# KiCad board reform2-motherboard25.kicad_pcb (continued)
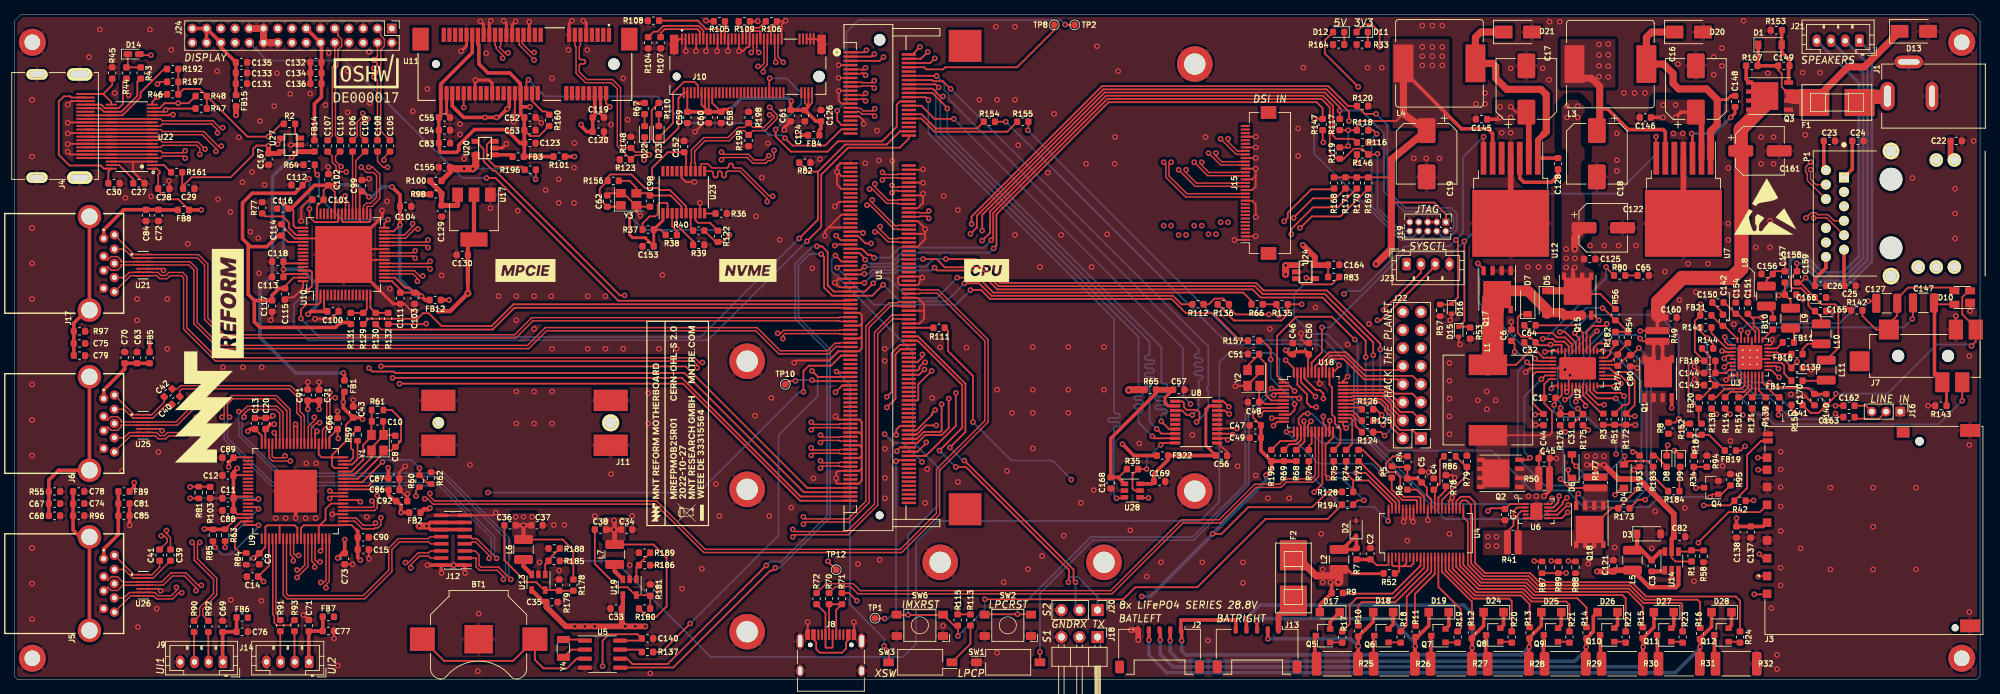
[diagram p0: board, top side]
## Footprints (pads in the part's own frame, mm; a bottom-side part is the same pattern mirrored in y, then rotated) (continued)
R_0603_1608Metric
  rrect 0.875x0.95 smd: 1(-0.787,0) 2(0.787,0)
R_0603_1608Metric#2
  rrect 0.8x0.95 smd: 1(-0.825,0) 2(0.825,0)
R_0612_1632Metric
  rrect 1x3.4 smd: 1(-0.75,0) 2(0.75,0)
R_2512_6332Metric
  rrect 1.35x3.35 smd: 1(-2.9,0) 2(2.9,0)
SJ-43516-SMT
  round 1.7 hole 1.7 unplated: (-3.5,0) (3.5,0)
  rect 2x2.8 smd: 1(-7.4,-3.7) 3(-2.7,3.7) 4(-4.6,-3.7) 6(-5.5,3.7)
  rect 2.8x2.8 smd: 2(4.8,-3.7) 5(8.9,0.75)
SOIC-8_3.9x4.9mm_P1.27mm
  rrect 1.95x0.6 smd: 1(-2.475,1.905) 2(-2.475,0.635) 3(-2.475,-0.635) 4(-2.475,-1.905) 5(2.475,-1.905) 6(2.475,-0.635) 7(2.475,0.635) 8(2.475,1.905)
SON50P350X135X55-14N
  rect 0.74x0.22 smd: 1(-0.67,1.5) 2(-0.67,1) 3(-0.67,0.5) 4(-0.67,0) 5(-0.67,-0.5) 6(-0.67,-1) 7(-0.67,-1.5) 8(0.67,-1.5) 9(0.67,-1) 10(0.67,-0.5) 11(0.67,0) 12(0.67,0.5) 13(0.67,1) 14(0.67,1.5)
SOT-23
  rect 0.9x0.8 smd: 1(-1,0.95) 2(-1,-0.95) 3(1,0)
SOT-23-5
  rect 1.06x0.65 smd: 1(-1.1,0.95) 2(-1.1,0) 3(-1.1,-0.95) 4(1.1,-0.95) 5(1.1,0.95)
SOT-23-6
  rect 1.06x0.65 smd: 1(-1.1,0.95) 2(-1.1,0) 3(-1.1,-0.95) 4(1.1,-0.95) 5(1.1,0) 6(1.1,0.95)
SOT-143
  rect 1.4x1.2 smd: 1(-1.1,0.77)
  rect 1.4x1 smd: 2(-1.1,-0.95) 3(1.1,-0.95) 4(1.1,0.95)
SOT-223
  rect 2x1.5 smd: 1(-3.15,2.3) 2(-3.15,0) 3(-3.15,-2.3)
  rect 2x3.8 smd: 2(3.15,0)
SSOP-44_5.3x12.8mm_P0.5mm
  rect 1.25x0.25 smd: 1(-3.375,5.25) 2(-3.375,4.75) 3(-3.375,4.25) 4(-3.375,3.75) 5(-3.375,3.25) 6(-3.375,2.75) 7(-3.375,2.25) 8(-3.375,1.75) 9(-3.375,1.25) 10(-3.375,0.75) 11(-3.375,0.25) 12(-3.375,-0.25) 13(-3.375,-0.75) 14(-3.375,-1.25) 15(-3.375,-1.75) 16(-3.375,-2.25) 17(-3.375,-2.75) 18(-3.375,-3.25) 19(-3.375,-3.75) 20(-3.375,-4.25) 21(-3.375,-4.75) 22(-3.375,-5.25) 23(3.375,-5.25) 24(3.375,-4.75) 25(3.375,-4.25) 26(3.375,-3.75) 27(3.375,-3.25) 28(3.375,-2.75) 29(3.375,-2.25) 30(3.375,-1.75) 31(3.375,-1.25) 32(3.375,-0.75) 33(3.375,-0.25) 34(3.375,0.25) 35(3.375,0.75) 36(3.375,1.25) 37(3.375,1.75) 38(3.375,2.25) 39(3.375,2.75) 40(3.375,3.25) 41(3.375,3.75) 42(3.375,4.25) 43(3.375,4.75) 44(3.375,5.25)
SW_DIP_SPSTx01_Slide_Omron_A6S-110x_W8.9mm_P2.54mm
  rect 1.5x1.1 smd: 1(-4.45,0) 2(4.45,0)
SWC_RAPC712X
  oval 4x2 hole 3x1: 1(0,3)
  oval 1.8x4 hole 0.75x3: 2(4.8,0)
  oval 4x1.75 hole 3x0.75: 3(0,-3.25)
TE_1-2199230-6
  round 1.1 hole 1.1 unplated: (-10,0)
  round 1.6 hole 1.6 unplated: (10,0)
  rect 0.3x1.55 smd: 1(-9.25,5.275) 2(-9,-2.275) 3(-8.75,5.275) 4(-8.5,-2.275) 5(-8.25,5.275) 6(-8,-2.275) 7(-7.75,5.275) 8(-7.5,-2.275) 9(-7.25,5.275) 10(-7,-2.275) 11(-6.75,5.275) 12(-6.5,-2.275) 13(-6.25,5.275) 14(-6,-2.275) 15(-5.75,5.275) 16(-5.5,-2.275) 17(-5.25,5.275) 18(-5,-2.275) 19(-4.75,5.275) 20(-4.5,-2.275) 21(-4.25,5.275) 22(-4,-2.275) 23(-3.75,5.275) 24(-3.5,-2.275) 25(-3.25,5.275) 26(-3,-2.275) 27(-2.75,5.275) 28(-2.5,-2.275) 29(-2.25,5.275) 30(-2,-2.275) 31(-1.75,5.275) 32(-1.5,-2.275) 33(-1.25,5.275) 34(-1,-2.275) 35(-0.75,5.275) 36(-0.5,-2.275) 37(-0.25,5.275) 38(0,-2.275) 39(0.25,5.275) 40(0.5,-2.275) 41(0.75,5.275) 42(1,-2.275) 43(1.25,5.275) 44(1.5,-2.275) 45(1.75,5.275) 46(2,-2.275) 47(2.25,5.275) 48(2.5,-2.275) 49(2.75,5.275) 50(3,-2.275) 51(3.25,5.275) 52(3.5,-2.275) 53(3.75,5.275) 54(4,-2.275) 55(4.25,5.275) 56(4.5,-2.275) 57(4.75,5.275) 58(5,-2.275) 67(7.25,5.275) 68(7.5,-2.275) 69(7.75,5.275) 70(8,-2.275) 71(8.25,5.275) 72(8.5,-2.275) 73(8.75,5.275) 74(9,-2.275) 75(9.25,5.275)
  rect 1.2x2.75 smd: S1(-10.35,4.5) S2(10.35,4.5)
TE_1473149-4
  round 1.1 hole 1.1 unplated: (-33.4,0)
  round 1.6 hole 1.6 unplated: (33.4,0)
  rect 0.35x2 smd: 1(31.65,4.1) 2(31.35,-4.1) 3(31.05,4.1) 4(30.75,-4.1) 5(30.45,4.1) 6(30.15,-4.1) 7(29.85,4.1) 8(29.55,-4.1) 9(29.25,4.1) 10(28.95,-4.1) 11(28.65,4.1) 12(28.35,-4.1) 13(28.05,4.1) 14(27.75,-4.1) 15(27.45,4.1) 16(27.15,-4.1) 17(26.85,4.1) 18(26.55,-4.1) 19(26.25,4.1) 20(25.95,-4.1) 21(25.65,4.1) 22(25.35,-4.1) 23(25.05,4.1) 24(24.75,-4.1) 25(24.45,4.1) 26(24.15,-4.1) 27(23.85,4.1) 28(23.55,-4.1) 29(23.25,4.1) 30(22.95,-4.1) 31(22.65,4.1) 32(22.35,-4.1) 33(22.05,4.1) 34(21.75,-4.1) 35(21.45,4.1) 36(21.15,-4.1) 37(20.85,4.1) 38(20.55,-4.1) 39(20.25,4.1) 40(19.95,-4.1) 41(16.05,4.1) 42(15.75,-4.1) 43(15.45,4.1) 44(15.15,-4.1) 45(14.85,4.1) 46(14.55,-4.1) 47(14.25,4.1) 48(13.95,-4.1) 49(13.65,4.1) 50(13.35,-4.1) 51(13.05,4.1) 52(12.75,-4.1) 53(12.45,4.1) 54(12.15,-4.1) 55(11.85,4.1) 56(11.55,-4.1) 57(11.25,4.1) 58(10.95,-4.1) 59(10.65,4.1) 60(10.35,-4.1) 61(10.05,4.1) 62(9.75,-4.1) 63(9.45,4.1) 64(9.15,-4.1) 65(8.85,4.1) 66(8.55,-4.1) 67(8.25,4.1) 68(7.95,-4.1) 69(7.65,4.1) 70(7.35,-4.1) 71(7.05,4.1) 72(6.75,-4.1) 73(6.45,4.1) 74(6.15,-4.1) 75(5.85,4.1) 76(5.55,-4.1) 77(5.25,4.1) 78(4.95,-4.1) 79(4.65,4.1) 80(4.35,-4.1) 81(4.05,4.1) 82(3.75,-4.1) 83(3.45,4.1) 84(3.15,-4.1) 85(2.85,4.1) 86(2.55,-4.1) 87(2.25,4.1) 88(1.95,-4.1) 89(1.65,4.1) 90(1.35,-4.1) 91(1.05,4.1) 92(0.75,-4.1) 93(0.45,4.1) 94(0.15,-4.1) 95(-0.15,4.1) 96(-0.45,-4.1) 97(-0.75,4.1) 98(-1.05,-4.1) 99(-1.35,4.1) 100(-1.65,-4.1) 101(-1.95,4.1) 102(-2.25,-4.1) 103(-2.55,4.1) 104(-2.85,-4.1) 105(-3.15,4.1) 106(-3.45,-4.1) 107(-3.75,4.1) 108(-4.05,-4.1) 109(-4.35,4.1) 110(-4.65,-4.1) 111(-4.95,4.1) 112(-5.25,-4.1) 113(-5.55,4.1) 114(-5.85,-4.1) 115(-6.15,4.1) 116(-6.45,-4.1) 117(-6.75,4.1) 118(-7.05,-4.1) 119(-7.35,4.1) 120(-7.65,-4.1) 121(-7.95,4.1) 122(-8.25,-4.1) 123(-8.55,4.1) 124(-8.85,-4.1) 125(-9.15,4.1) 126(-9.45,-4.1) 127(-9.75,4.1) 128(-10.05,-4.1) 129(-10.35,4.1) 130(-10.65,-4.1) 131(-10.95,4.1) 132(-11.25,-4.1) 133(-11.55,4.1) 134(-11.85,-4.1) 135(-12.15,4.1) 136(-12.45,-4.1) 137(-12.75,4.1) 138(-13.05,-4.1) 139(-13.35,4.1) 140(-13.65,-4.1) 141(-13.95,4.1) 142(-14.25,-4.1) 143(-14.55,4.1) 144(-14.85,-4.1) 145(-15.15,4.1) 146(-15.45,-4.1) 147(-15.75,4.1) 148(-16.05,-4.1) 149(-16.35,4.1) 150(-16.65,-4.1) 151(-16.95,4.1) 152(-17.25,-4.1) 153(-17.55,4.1) 154(-17.85,-4.1) 155(-18.15,4.1) 156(-18.45,-4.1) 157(-18.75,4.1) 158(-19.05,-4.1) 159(-19.35,4.1) 160(-19.65,-4.1) 161(-19.95,4.1) 162(-20.25,-4.1) 163(-20.55,4.1) 164(-20.85,-4.1) 165(-21.15,4.1) 166(-21.45,-4.1) 167(-21.75,4.1) 168(-22.05,-4.1) 169(-22.35,4.1) 170(-22.65,-4.1) 171(-22.95,4.1) 172(-23.25,-4.1) 173(-23.55,4.1) 174(-23.85,-4.1) 175(-24.15,4.1) 176(-24.45,-4.1) 177(-24.75,4.1) 178(-25.05,-4.1) 179(-25.35,4.1) 180(-25.65,-4.1) 181(-25.95,4.1) 182(-26.25,-4.1) 183(-26.55,4.1) 184(-26.85,-4.1) 185(-27.15,4.1) 186(-27.45,-4.1) 187(-27.75,4.1) 188(-28.05,-4.1) 189(-28.35,4.1) 190(-28.65,-4.1) 191(-28.95,4.1) 192(-29.25,-4.1) 193(-29.55,4.1) 194(-29.85,-4.1) 195(-30.15,4.1) 196(-30.45,-4.1) 197(-30.75,4.1) 198(-31.05,-4.1) 199(-31.35,4.1) 200(-31.65,-4.1)
  rect 4.5x4.6 smd: SH1(-32.55,-12) SH2(32.55,-12)
TE_1775059-1
  round 1.2 hole 1.2 unplated: (0,0)
  round 1 hole 1 unplated: (5,-26.2)
  rect 1.2x1.2 smd: 1(-21.4,-18.925) 2(-21.4,-16.425) 3(-21.4,-13.925) 4(-21.4,-11.425) 5(-21.4,-8.925) 6(-21.4,-6.425) 7(-21.4,-4) 8(-21.4,-2.3) 9(-21.4,-21.425)
  rect 1.4x0.73 smd: 10(-21.3,0.07) 12(-21.3,1.03)
  rect 1.8x1.45 smd: 11(-2.3,1.25)
  rect 2.8x1.8 smd: 12(7.1,1.52) 13(7.1,-25.92)
TestPoint_Pad_D1.0mm
  round 1 smd: 1(0,0)
TO-263-7_TabPin8
  rect 4.55x5.25 smd: (0.95,2.775) (0.95,-2.775) (5.8,2.775) (5.8,-2.775)
  rect 4.6x0.8 smd: 1(-5.775,3.81) 2(-5.775,2.54) 3(-5.775,1.27) 4(-5.775,0) 5(-5.775,-1.27) 6(-5.775,-2.54) 7(-5.775,-3.81)
  rect 9.4x10.8 smd: 8(3.375,0)
TSOT-23-6
  rect 1.22x0.65 smd: 1(-1.31,0.95) 2(-1.31,0) 3(-1.31,-0.95) 4(1.31,-0.95) 5(1.31,0) 6(1.31,0.95)
TSOT-25
  rect 0.7x1.2 smd: 1(-0.95,-1.3) 2(0,-1.3) 3(0.95,-1.3) 4(0.95,1.3) 5(-0.95,1.3)
TSSOP50P640X120-38N
  rect 1.56x0.26 smd: 1(-2.88,4.5) 2(-2.88,4) 3(-2.88,3.5) 4(-2.88,3) 5(-2.88,2.5) 6(-2.88,2) 7(-2.88,1.5) 8(-2.88,1) 9(-2.88,0.5) 10(-2.88,0) 11(-2.88,-0.5) 12(-2.88,-1) 13(-2.88,-1.5) 14(-2.88,-2) 15(-2.88,-2.5) 16(-2.88,-3) 17(-2.88,-3.5) 18(-2.88,-4) 19(-2.88,-4.5) 20(2.88,-4.5) 21(2.88,-4) 22(2.88,-3.5) 23(2.88,-3) 24(2.88,-2.5) 25(2.88,-2) 26(2.88,-1.5) 27(2.88,-1) 28(2.88,-0.5) 29(2.88,0) 30(2.88,0.5) 31(2.88,1) 32(2.88,1.5) 33(2.88,2) 34(2.88,2.5) 35(2.88,3) 36(2.88,3.5) 37(2.88,4) 38(2.88,4.5)
TSSOP-20_4.4x6.5mm_P0.65mm
  rect 1.45x0.45 smd: 1(-2.95,2.925) 2(-2.95,2.275) 3(-2.95,1.625) 4(-2.95,0.975) 5(-2.95,0.325) 6(-2.95,-0.325) 7(-2.95,-0.975) 8(-2.95,-1.625) 9(-2.95,-2.275) 10(-2.95,-2.925) 11(2.95,-2.925) 12(2.95,-2.275) 13(2.95,-1.625) 14(2.95,-0.975) 15(2.95,-0.325) 16(2.95,0.325) 17(2.95,0.975) 18(2.95,1.625) 19(2.95,2.275) 20(2.95,2.925)
UK-B0206-G3.8-250-JZ
  rect 1.4x1.1 smd: 1(-3.25,1.5) 1(3.25,1.5) 2(-3.25,-1.5) 2(3.25,-1.5)
USB_C_Receptacle_HRO_TYPE-C-31-M-12
  round 0.65 hole 0.65 unplated: (-2.89,2.6) (2.89,2.6)
  rect 0.6x1.45 smd: A1(-3.25,4.045) A4(-2.45,4.045) A9(2.45,4.045) A12(3.25,4.045) B1(3.25,4.045) B4(2.45,4.045) B9(-2.45,4.045) B12(-3.25,4.045)
  rect 0.3x1.45 smd: A5(-1.25,4.045) A6(-0.25,4.045) A7(0.25,4.045) A8(1.25,4.045) B5(1.75,4.045) B6(0.75,4.045) B7(-0.75,4.045) B8(-1.75,4.045)
  oval 1x2.1 hole 0.6x1.7: S1(-4.32,3.13) S1(4.32,3.13)
  oval 1x1.6 hole 0.6x1.2: S1(-4.32,-1.05) S1(4.32,-1.05)
WA-SMSI-M2
  round 5 hole 3: 1(0,0)

## Nets
1V2_PWR_EN: R185.1 U18.2
3V3_PWR_AUX: FB1.1 FB14.1 R98.2 U27.1
3V3_PWR_EN: D16.1 R57.2 U12.7 U18.48
5V_PWR_EN: D15.1 R53.2 U7.7 U18.43
30V_GATE: C16.1 C17.1 C82.2 C122.1 C125.1 C145.2 C146.2 D5.1 Q15.5 Q15.6 Q15.7 Q15.8 R1.2 R56.1 R175.1 R177.1 U7.2 U12.2 U14.5
+1V2: C36.1 C37.1 FB2.1 FB12.1 L6.2 R178.1
+1V5: C34.1 C38.1 C119.1 C120.1 L7.2 R180.1 U11.6 U11.28 U11.48
+1V8: C112.1 C114.1 C115.1 C117.1 C130.1 R65.2 R131.2 R132.2 U10.42 U10.53 U10.63 U17.2
+3V3: C19.1 C22.1 C29.1 C155.1 C167.1 D11.2 FB4.1 FB18.1 FB20.1 FB21.1 FB22.1 J19.1 L4.2 P1.14 P1.16 R2.2 R46.2 R47.2 R48.2 R100.2 R113.2 R115.1 R117.1 R118.1 R119.1 R135.1 R136.1 R161.1 R168.1 R169.2 R170.2 R171.2 R187.1 R192.1 R196.2 R197.2 U12.6 U20.5 U27.5
+5V: C18.1 C33.1 C35.1 C164.1 D12.2 L3.2 R83.2 U1.1 U1.2 U1.3 U1.4 U1.5 U1.6 U7.6 U13.4 U19.4 U24.5
/Reform 2 Power/24V_IN: F1.1 J1.1
/Reform 2 Power/VIN: C44.2 C160.1 C161.1 Q3.5 Q3.6 Q3.7 Q3.8 R34.2 R49.2 R167.1 U2.7 U2.36
GND: BT1.2 C2.2 C4.2 C5.2 C6.1 C7.2 C9.2 C11.2 C12.2 C13.2 C14.2 C15.2 C16.2 C17.2 C18.2 C19.2 C20.2 C21.2 C22.2 C23.2 C24.2 C25.2 C26.2 C27.1 C28.1 C29.2 C30.2 C33.2 C34.2 C35.2 C37.2 C43.2 C44.1 C45.1 C46.2 C47.2 C48.2 C49.2 C50.2 C51.2 C52.2 C53.2 C54.2 C55.2 C56.2 C57.2 C58.2 C59.2 C60.2 C61.2 C62.2 C63.2 C65.1 C66.2 C67.2 C68.2 C69.2 C70.2 C71.2 C72.2 C73.2 C74.2 C75.2 C76.2 C77.2 C78.2 C79.2 C80.1 C81.2 C82.1 C83.2 C84.2 C85.2 C86.2 C87.2 C88.2 C89.2 C90.2 C91.2 C92.2 C98.2 C99.2 C100.2 C101.2 C102.2 C103.2 C104.2 C111.2 C112.2 C113.2 C114.2 C115.2 C116.2 C117.2 C118.2 C119.2 C120.2 C121.1 C122.2 C123.2 C124.2 C125.2 C126.2 C129.2 C130.2 C131.2 C132.2 C133.2 C134.2 C135.2 C136.2 C137.2 C138.2 C139.2 C140.1 C142.2 C143.2 C144.1 C145.1 C146.1 C150.2 C151.2 C152.2 C153.2 C154.2 C155.2 C156.2 C158.2 C160.2 C161.2 C164.2 C165.2 C166.2 C167.2 C168.2 C169.2 C170.2 D2.2 D3.2 D10.1 D13.2 D15.2 D16.2 D20.2 D21.2 H1.1 H2.1 H3.1 H5.1 H6.1 H7.1 H8.1 H22.1 H24.1 H25.1 H27.1 J1.2 J1.3 J2.5 J3.3 J3.6 J3.12 J3.13 J4.2 J4.5 J4.8 J4.11 J4.17 J4.SH J5.4 J5.7 J6.4 J6.7 J7.4 J8.A1 J8.A12 J8.B1 J8.B12 J8.S1 J9.4 J10.1 J10.3 J10.9 J10.15 J10.21 J10.27 J10.33 J10.39 J10.45 J10.51 J10.57 J10.71 J10.73 J10.75 J10.S1 J10.S2 J11.1 J11.2 J11.3 J11.4 J12.1 J12.2 J12.15 J12.16 J14.4 J15.1 J15.2 J15.12 J15.15 J15.18 J15.21 J15.24 J15.27 J15.30 J16.1 J17.4 J17.7 J18.3 J19.3 J19.5 J19.9 J20.3 J22.16 J23.4 J24.2 J24.5 J24.8 J24.11 J24.18 J24.19 J24.20 J24.21 P1.SH1 P1.SH2 Q4.2 Q17.1 Q17.2 Q17.3 R3.1 R8.1 R32.1 R33.1 R36.1 R39.1 R45.2 R50.1 R51.1 R53.1 R55.2 R57.1 R58.2 R62.2 R77.1 R78.2 R79.2 R82.2 R84.2 R88.1 R94.1 R95.1 R96.2 R97.2 R103.1 R104.2 R105.2 R106.2 R107.2 R108.2 R109.2 R120.2 R123.1 R142.2 R143.2 R148.1 R153.2 R164.1 R172.2 R179.2 R181.2 R188.2 R189.2 R193.1 R198.1 R199.1 SW1.1 SW2.1 SW6.1 U1.7 U1.13 U1.19 U1.25 U1.31 U1.41 U1.44 U1.47 U1.50 U1.53 U1.56 U1.59 U1.62 U1.65 U1.68 U1.71 U1.74 U1.80 U1.94 U1.95 U1.98 U1.99 U1.104 U1.110 U1.111 U1.116 U1.117 U1.123 U1.129 U1.161 U1.167 U1.173 U1.179 U1.185 U1.191 U2.3 U2.4 U2.29 U2.35 U2.39 U3.9 U3.20 U3.24 U3.28 U3.33 U4.26 U4.27 U4.33 U4.37 U4.38 U4.39 U4.40 U5.4 U6.5 U7.4 U7.8 U8.11 U9.64 U9.81 U10.1 U10.23 U10.26 U10.52 U10.64 U10.65 U11.4 U11.9 U11.15 U11.18 U11.21 U11.26 U11.27 U11.29 U11.34 U11.35 U11.37 U11.40 U11.43 U11.50 U12.4 U12.8 U13.2 U14.2 U17.1 U18.5 U18.41 U19.2 U20.2 U21.5 U21.10 U22.3 U22.5 U22.8 U22.11 U22.14 U22.25 U22.28 U22.31 U22.34 U22.36 U23.9 U23.16 U24.2 U25.5 U25.10 U26.5 U26.10 U27.2 U28.2 Y2.2 Y2.4 Y3.2 Y3.4
/Reform 2 Display/EDAUXN: C107.2 U10.35
/Reform 2 Display/EDAUXP: C110.2 U10.34
/Reform 2 Display/EDP_BL_VCC: C131.1 C133.1 C135.1 FB15.2 J24.26 J24.27 J24.28 J24.29
/Reform 2 Display/EDP_HPD: J24.17 R64.1
/Reform 2 Display/EDP_LCD_TEST: J24.14
/Reform 2 Display/EDP_LCD_VCC: C132.1 C134.1 C136.1 FB14.2 J24.12 J24.13
/Reform 2 Display/ML0N: C106.2 U10.38
/Reform 2 Display/ML0P: C109.2 U10.37
/Reform 2 Display/ML1N: C105.2 U10.40
/Reform 2 Display/ML1P: C108.2 U10.39
/Reform 2 PCIe/M2_CLKREQn: J10.52
/Reform 2 PCIe/M2_SMB_ALERTn: J10.44
/Reform 2 PCIe/M2_SMB_CLK: J10.40
/Reform 2 PCIe/M2_SMB_DATA: J10.42
/Reform 2 PCIe/PCICLKGEN_XI: C98.1 R156.2 U23.5 Y3.3
/Reform 2 PCIe/PCICLKGEN_XO: C62.1 R156.1 U23.6 Y3.1
/Reform 2 PCIe/RCLKC_N: J10.53 R199.2 U23.13
/Reform 2 PCIe/RCLKC_P: J10.55 R198.2 U23.14
/Reform 2 Power/BAT1FUSED: D17.2 F2.1 L2.1 R9.1 R41.1 R52.2 U6.2
/Reform 2 Power/CHG_INTVCC: C6.2 D4.2 D6.2 R183.1 R184.1 U2.10 U2.34
/Reform 2 Power/Reform 2 LPC/LPC_AD5: J22.7 U18.40
/Reform 2 Power/Reform 2 LPC/LPC_AD7: J22.10 U18.42
/Reform 2 Power/Reform 2 LPC/LPC_MISO0: R124.1 U18.27
/Reform 2 Power/Reform 2 LPC/LPC_MISO1a: J22.2 U18.30
/Reform 2 Power/Reform 2 LPC/LPC_MISO1b: R74.2 U18.26
/Reform 2 Power/Reform 2 LPC/LPC_MOSI0: R125.1 U18.28
/Reform 2 Power/Reform 2 LPC/LPC_MOSI1a: J22.14 U18.17
/Reform 2 Power/Reform 2 LPC/LPC_MOSI1b: R75.2 U18.38
/Reform 2 Power/Reform 2 LPC/LPC_RXDa: J22.12 U18.46
/Reform 2 Power/Reform 2 LPC/LPC_RXDc: J23.3 U18.11
/Reform 2 Power/Reform 2 LPC/LPC_SCK0a: R126.1 U18.29
/Reform 2 Power/Reform 2 LPC/LPC_SCK0b: J22.1 U18.31
/Reform 2 Power/Reform 2 LPC/LPC_SCK1b: R73.2 U18.13
/Reform 2 Power/Reform 2 LPC/LPC_SCLKa: J22.9 U18.45
/Reform 2 Power/Reform 2 LPC/LPC_SCLKc: R194.2 U18.24
/Reform 2 Power/Reform 2 LPC/LPC_SSEL0: R157.1 U18.10
/Reform 2 Power/Reform 2 LPC/LPC_SSEL1: R76.2 U18.18
/Reform 2 Power/Reform 2 LPC/LPC_SWDIO: J22.8 U18.39
/Reform 2 Power/Reform 2 LPC/LPC_TDI: J22.4 U18.32
/Reform 2 Power/Reform 2 LPC/LPC_TDO: J22.6 U18.34
/Reform 2 Power/Reform 2 LPC/LPC_TMS: J22.3 U18.33
/Reform 2 Power/Reform 2 LPC/LPC_TXDa: J22.11 U18.47
/Reform 2 Power/Reform 2 LPC/LPC_TXDc: J23.2 U18.12
/Reform 2 Power/Reform 2 LPC/LPC_UFTOGG: SW1.2 U18.4
/Reform 2 Power/Reform 2 LPC/LPC_UVBUS: R195.2 U18.14
/Reform 2 Power/Reform 2 LPC/LPC_~{RESET}: SW2.2 U18.3
/Reform 2 Power/Reform 2 LPC/LPC_~{TRST}: J22.5 U18.35
/Reform 2 Power/Reform 2 LPC/LPC_~{USBCON}: J22.13 U18.22
/Reform 2 Power/Reform 2 LPC/LPCUD_N: R72.2 U18.19
/Reform 2 Power/Reform 2 LPC/LPCUD_P: R70.2 U18.20
/Reform 2 Power/VREG: C5.1 R4.1 R5.1 R6.1 U4.32
/Reform 2 USB/USB3_1_SSTXCN: C40.2 J6.8 U25.2 U25.13
/Reform 2 USB/USB3_1_SSTXCP: C42.2 J6.9 U25.1 U25.14
/Reform 2 USB/USB3_2_SSTXCN: C39.2 J5.8 U26.2 U26.13
/Reform 2 USB/USB3_2_SSTXCP: C41.2 J5.9 U26.1 U26.14
AUX_PWR_EN: U18.23 U27.4
BACKLIGHT_EN: J24.22 U1.105
BACKLIGHT_PWM: J24.23 U1.164
BAT1+: F2.2 J13.1
BAT2+: D18.2 J13.2 R10.1 R25.1
BAT3+: D19.2 J13.3 R11.1 R26.1
BAT4+: D24.2 J13.4 R12.1 R27.1
BAT5+: D25.2 J2.1 J13.5 R13.1 R28.1
BAT6+: D26.2 J2.2 R14.1 R29.1
BAT7+: D27.2 J2.3 R15.1 R30.1
BAT8+: D28.2 J2.4 R16.1 R31.1
BMON_CS: R76.1 U4.44
BMON_SCK: R73.1 U4.41
BMON_SDI: R75.1 U4.42
BMON_SDO: R74.1 R128.1 U4.43
BOOTCFG_4: R169.1 U1.152
BOOTCFG_10: R168.2 U1.134
BOOTCFG_12: R171.1 U1.138
BOOTCFG_13: R170.1 U1.140
CHG_RNG: Q4.1 R95.2 U18.1
CHG_STAT1: D8.1 U2.12
CHG_STAT2: D9.1 U2.13
CHGBAT: Q18.5 Q18.6 Q18.7 Q18.8 R41.2 R173.2 U2.20 U6.3
DAC_BCLK: R114.1 U1.170
DAC_DIN: R150.1 U1.166
DAC_DOUT: R121.1 U1.178
DAC_MCLK: R138.2 U1.176
DAC_RXFS: R139.1 U1.168
DAC_SCL: R66.1 U1.101 U5.6
DAC_SDA: R112.1 U1.103 U5.5
DAC_TXFS: R151.1 U1.172
DSI_CLK_N: J15.19 U10.25
DSI_CLK_P: J15.20 U10.24
DSI_D0_N: J15.25 U10.20
DSI_D0_P: J15.26 U10.19
DSI_D1_N: J15.22 U10.22
DSI_D1_P: J15.23 U10.21
DSI_D2_N: J15.16 U10.28
DSI_D2_P: J15.17 U10.27
DSI_D3_N: J15.13 U10.30
DSI_D3_P: J15.14 U10.29
EDP_AUX_DN: C107.1 J24.10
EDP_AUX_DP: C110.1 J24.9
EDP_IRQ: U1.40 U10.61
EDP_RESETn: R82.1 U1.38 U10.2
EDP_SCL: R129.2 U1.107
EDP_SDA: R130.2 U1.109
EDP_TX0_DN: C106.1 J24.6
EDP_TX0_DP: C109.1 J24.7
EDP_TX1_DN: C105.1 J24.3
EDP_TX1_DP: C108.1 J24.4
ETH0_A+: P1.11 U1.29
ETH0_A-: P1.10 U1.27
ETH0_B+: P1.4 U1.23
ETH0_B-: P1.5 U1.21
ETH0_C+: P1.3 U1.17
ETH0_C-: P1.2 U1.15
ETH0_D+: P1.8 U1.11
ETH0_D-: P1.9 U1.9
ETH0_LED_LINK1: J19.6 R147.2 U1.83
ETH0_LED_LINK2: J19.10 R119.2 R146.2 U1.81
ETH0_LED_RX: R116.2 U1.79
HDMI_CEC: R197.1 U1.197 U22.16
HDMI_CLK+: J4.10 U1.165 U22.13 U22.26
HDMI_CLK-: J4.12 U1.163 U22.15 U22.24
HDMI_D0+: J4.7 U1.171 U22.10 U22.29
HDMI_D0-: J4.9 U1.169 U22.12 U22.27
HDMI_D1+: J4.4 U1.177 U22.7 U22.32
HDMI_D1-: J4.6 U1.175 U22.9 U22.30
HDMI_D2+: J4.1 U1.183 U22.4 U22.35
HDMI_D2-: J4.3 U1.181 U22.6 U22.33
HDMI_HPD: R46.1 U1.199 U22.19
HDMI_SCL: R47.1 U1.195 U22.17
HDMI_SDA: R48.1 U1.193 U22.18
IMX_FBOOT: SW3.2 U1.139
IMX_JTAG_TCK: J19.4 R120.1 U1.73
IMX_JTAG_TDI: J19.8 R118.2 U1.75
IMX_JTAG_TMS: J19.2 R117.2 U1.77
IMX_RESETn: R115.2 R194.1 SW6.2 U1.87
IMX_RTC_IRQ: R137.1 U1.141
IMX_UART1_RX: J18.2 U1.126
IMX_UART1_TX: J18.1 U1.128
IMX_UART2_RX: J20.2 U1.122
IMX_UART2_TX: J20.1 U1.124
IMX_WAKE: U1.145 U18.21
INA_SCL: R69.2 U6.10 U18.15
INA_SDA: R68.2 U6.9 U18.16
LPC_MISO: R124.2 U1.93
LPC_MOSI: R125.2 U1.91
LPC_SCK: R126.2 U1.97
LPC_SS0: R157.2 U1.89
LPC_UART2_RX: R154.1 U18.37
LPC_UART2_TX: R155.2 U18.36
LPC_VCC: C7.1 C46.1 C47.1 C49.1 C50.1 C121.2 C140.2 J22.15 J23.1 L5.2 R68.1 R69.1 R71.1 R87.2 R89.2 R128.2 R195.1 U5.8 U6.1 U14.3 U18.8 U18.44
PCIE1_CLK_N: R148.2 U1.60 U11.11
PCIE1_CLK_P: R123.2 U1.58 U11.13
PCIE1_PWR_EN: R186.1 U18.9 U20.4
PCIE1_RESETn: U1.37 U11.22
PCIE1_RX_N: U1.54 U11.23
PCIE1_RX_P: U1.52 U11.25
PCIE1_TX_N: U1.48 U11.31
PCIE1_TX_P: U1.46 U11.33
PCIE2_CLK_N: U1.66 U23.11
PCIE2_CLK_P: U1.64 U23.12
PCIE2_RESETn: J10.50 U1.24
PCIE2_RX_N: J10.41 U1.78
PCIE2_RX_P: J10.43 U1.76
PCIE2_TX_N: J10.47 U1.72
PCIE2_TX_P: J10.49 U1.70
SD2_CD: J3.10 R42.2 U1.26
SD2_CLK: U1.22 U28.3
SD2_CMD: U1.20 U8.7
SD2_DATA0: U1.12 U8.3
SD2_DATA1: U1.14 U8.1
SD2_DATA2: U1.16 U8.9
SD2_DATA3: U1.18 U8.8
USB1_DN: U1.100 U9.69
USB1_DP: U1.102 U9.70
USB1_RX_N: U1.112 U9.62
USB1_RX_P: U1.114 U9.63
USB1_TX_N: U1.106 U9.65
USB1_TX_P: U1.108 U9.66
USB2_DN: J17.2 U1.125 U21.3 U21.12
USB2_DP: J17.3 U1.127 U21.4 U21.11
USB2_RX_N: J17.5 U1.121 U21.7 U21.8
USB2_RX_P: J17.6 U1.119 U21.6 U21.9
USB2_TX_N: J17.8 U1.115 U21.2 U21.13
USB2_TX_P: J17.9 U1.113 U21.1 U21.14
USB3_1_DN: J6.2 U9.3 U25.3 U25.12
USB3_1_DP: J6.3 U9.2 U25.4 U25.11
USB3_1_SSRXN: J6.5 U9.7 U25.7 U25.8
USB3_1_SSRXP: J6.6 U9.6 U25.6 U25.9
USB3_1_SSTXN: C40.1 U9.9
USB3_1_SSTXP: C42.1 U9.8
USB3_2_DN: J5.2 U9.59 U26.3 U26.12
USB3_2_DP: J5.3 U9.60 U26.4 U26.11
USB3_2_SSRXN: J5.5 U9.54 U26.7 U26.8
USB3_2_SSRXP: J5.6 U9.53 U26.6 U26.9
USB3_2_SSTXN: C39.1 U9.56
USB3_2_SSTXP: C41.1 U9.55
USB3_3_DN: R92.1 U9.18
USB3_3_DP: R90.1 U9.17
USB3_3_SSRXN: J12.9 U9.13
USB3_3_SSRXP: J12.7 U9.12
USB3_3_SSTXN: J12.5 U9.15
USB3_3_SSTXP: J12.3 U9.14
USB3_3_VBUS: FB6.1
USB3_4_DN: R93.1 U9.44
USB3_4_DP: R91.1 U9.45
USB3_4_SSRXN: J12.10 U9.48
USB3_4_SSRXP: J12.8 U9.47
USB3_4_SSTXN: J12.6 U9.50
USB3_4_SSTXP: J12.4 U9.49
USB3_4_VBUS: FB7.1
USB_PWR: C28.2 D14.2 FB5.1 FB8.1 FB9.1 FB15.1 J12.11 J12.12 J12.13 J12.14 R60.1 R111.1 R152.1 U22.1 U24.1
USB_PWR_EN: U18.25 U24.4
USB_RESETn: R81.2 R103.2 U1.131
USBH_1V1: C9.1 C11.1 C12.1 C13.1 C15.1 C21.1 C66.1 C86.1 C88.1 C90.1 C91.1 C92.1 FB2.2 U9.1 U9.5 U9.10 U9.11 U9.16 U9.20 U9.26 U9.32 U9.37 U9.42 U9.46 U9.51 U9.52 U9.57 U9.61 U9.67 U9.71
USBH_3V3: C14.1 C20.1 C43.1 C73.1 C87.1 C89.1 FB1.2 R63.1 R85.1 U9.4 U9.19 U9.21 U9.38 U9.43 U9.58 U9.68 U9.72 U9.77 U9.80
Net-(BT1-Pad1): BT1.1 U5.3
Net-(C1-Pad1): C1.1 D4.1 U2.2
Net-(C1-Pad2): C1.2 L1.1 Q1.1 Q1.2 Q1.3 Q2.5 Q2.6 Q2.7 Q2.8 U2.38
Net-(C2-Pad1): C2.1 R7.2 U4.1
Net-(C3-Pad1): C3.1 D3.1 L5.1 U14.6
Net-(C3-Pad2): C3.2 U14.1
Net-(C4-Pad1): C4.1 R86.2 U4.31
Net-(C8-Pad1): C8.1 R61.1 U9.74 Y1.1
Net-(C10-Pad1): C10.1 R61.2 U9.76 Y1.3
Net-(C10-Pad2): C8.2 C10.2 U9.75 Y1.2 Y1.4
Net-(C23-Pad1): C23.1 P1.7
Net-(C24-Pad1): C24.1 P1.1
Net-(C25-Pad1): C25.1 P1.6
Net-(C26-Pad1): C26.1 P1.12
Net-(C27-Pad2): C27.2 U22.37
Net-(C30-Pad1): C30.1 J4.18 U22.38
Net-(C31-Pad1): C31.1 R176.2 U2.22
Net-(C31-Pad2): C31.2 R175.2 U2.23
Net-(C32-Pad1): C32.1 D6.1 D7.1 U2.30
Net-(C32-Pad2): C32.2 D5.2 D7.2 L1.2 Q15.1 Q15.2 Q15.3 Q17.5 Q17.6 Q17.7 Q17.8 U2.32
Net-(C36-Pad2): C36.2 R178.2 R179.1 U13.5
Net-(C38-Pad2): C38.2 R180.2 R181.1 U19.5
Net-(C45-Pad2): C45.2 Q2.1 Q2.2 Q2.3 R50.2 U2.5
Net-(C48-Pad1): C48.1 U18.7 Y2.1
Net-(C51-Pad1): C51.1 U18.6 Y2.3
Net-(C63-Pad1): C63.1 C70.1 FB5.2 J6.1
Net-(C64-Pad1): C64.1 U2.24
Net-(C64-Pad2): C64.2 U2.27
Net-(C65-Pad2): C65.2 R80.1
Net-(C67-Pad1): C67.1 C68.1 J6.10 R55.1
Net-(C69-Pad1): C69.1 C76.1 FB6.2 J9.1
Net-(C71-Pad1): C71.1 C77.1 FB7.2 J14.1
Net-(C72-Pad1): C72.1 C84.1 FB8.2 J17.1
Net-(C74-Pad1): C74.1 C78.1 J5.10 R96.1
Net-(C75-Pad1): C75.1 C79.1 J17.10 R97.1
Net-(C80-Pad2): C80.2 R173.1 R174.2 U2.17
Net-(C81-Pad1): C81.1 C85.1 FB9.2 J5.1
Net-(C100-Pad1): C99.1 C100.1 C101.1 C102.1 C103.1 C104.1 C111.1 C113.1 C116.1 C118.1 FB12.2 U10.3 U10.17 U10.18 U10.31 U10.33 U10.36 U10.41 U10.43 U10.48 U10.49 U10.59 U10.62
Net-(C123-Pad1): C52.1 C53.1 C54.1 C55.1 C83.1 C123.1 FB3.2 R67.1 R101.2 R160.1 U11.2 U11.24 U11.39 U11.41 U11.52
Net-(C124-Pad1): C58.1 C59.1 C60.1 C61.1 C124.1 C126.1 FB4.2 J10.2 J10.4 J10.12 J10.14 J10.16 J10.18 J10.70 J10.72 J10.74 R110.1
Net-(C127-Pad1): C127.1 D10.3 J7.2 R142.1
Net-(C127-Pad2): C127.2 U3.31
Net-(C128-Pad1): C128.1 D21.1 L4.1 U12.1
Net-(C128-Pad2): C128.2 U12.3
Net-(C129-Pad1): C129.1 R98.1 R100.1 U17.3
Net-(C137-Pad1): C56.1 C137.1 C138.1 C169.1 FB22.2 J3.4 R42.1 U8.19 U28.6
Net-(C139-Pad1): C139.1 C151.1 FB19.2 U3.21 U3.26
Net-(C141-Pad1): C141.1 D10.2 J7.1 R140.2
Net-(C141-Pad2): C141.2 U3.4
Net-(C142-Pad1): C142.1 FB21.2 U3.32
Net-(C143-Pad1): C143.1 FB20.2 R144.1 U3.10
Net-(C144-Pad2): C144.2 FB18.2 U3.8
Net-(C147-Pad1): C147.1 D10.4 J7.3 R143.1
Net-(C147-Pad2): C147.2 U3.29
Net-(C148-Pad1): C148.1 D20.1 L3.1 U7.1
Net-(C148-Pad2): C148.2 U7.3
Net-(C149-Pad1): C149.1 D1.1 D13.1 F1.2 Q3.1 Q3.2 Q3.3 R167.2
Net-(C149-Pad2): C149.2 D1.2 Q3.4 R153.1
Net-(C150-Pad1): C150.1 C154.1 U3.27
Net-(C152-Pad1): C152.1 C153.1 R37.1 R38.1 R40.1 R101.1 R122.1 U23.1 U23.15
Net-(C156-Pad1): C156.1 C157.1 J21.4 L8.2
Net-(C157-Pad2): C157.2 C158.1 J21.3 L9.2
Net-(C159-Pad1): C159.1 C165.1 J21.2 L10.2
Net-(C159-Pad2): C159.2 C166.1 J21.1 L11.2
Net-(C162-Pad1): C162.1 U3.3
Net-(C162-Pad2): C162.2 J16.3
Net-(C163-Pad1): C163.1 U3.6
Net-(C163-Pad2): C163.2 J16.2
Net-(C168-Pad1): C57.1 C168.1 R35.1 R65.1 U8.2 U28.1
Net-(C170-Pad1): C170.1 R140.1 U3.1
Net-(D2-Pad1): D2.1 L2.2 R7.1
Net-(D8-Pad2): D8.2 R183.2
Net-(D9-Pad2): D9.2 R184.2
Net-(D11-Pad1): D11.1 R33.2
Net-(D12-Pad1): D12.1 R164.2
Net-(D14-Pad1): D14.1 R43.1 R44.1
Net-(D17-Pad1): D17.1 Q5.2
Net-(D18-Pad1): D18.1 Q6.2
Net-(D19-Pad1): D19.1 Q7.2
Net-(D22-Pad1): D22.1 U11.44
Net-(D22-Pad2): D22.2 R67.2
Net-(D23-Pad1): D23.1 J10.10
Net-(D23-Pad2): D23.2 R110.2
Net-(D24-Pad1): D24.1 Q8.2
Net-(D25-Pad1): D25.1 Q9.2
Net-(D26-Pad1): D26.1 Q10.2
Net-(D27-Pad1): D27.1 Q11.2
Net-(D28-Pad1): D28.1 Q12.2
Net-(FB3-Pad1): FB3.1 U20.1
Net-(FB10-Pad1): FB10.1 U3.25
Net-(FB10-Pad2): FB10.2 L8.1
Net-(FB11-Pad1): FB11.1 U3.23
Net-(FB11-Pad2): FB11.2 L9.1
Net-(FB16-Pad1): FB16.1 U3.22
Net-(FB16-Pad2): FB16.2 L10.1
Net-(FB17-Pad1): FB17.1 U3.19
Net-(FB17-Pad2): FB17.2 L11.1
Net-(FB19-Pad1): FB19.1 R152.2 R187.2
Net-(J3-Pad1): J3.1 U8.13
Net-(J3-Pad2): J3.2 U8.14
Net-(J3-Pad5): J3.5 U28.4
Net-(J3-Pad7): J3.7 U8.18
Net-(J3-Pad8): J3.8 U8.20
Net-(J3-Pad9): J3.9 U8.12
Net-(J4-Pad13): J4.13 R192.2 U22.23
Net-(J4-Pad15): J4.15 R43.2 U22.22
Net-(J4-Pad16): J4.16 R44.2 U22.21
Net-(J4-Pad19): J4.19 R45.1 U22.20
Net-(J7-Pad6): J7.6 R141.1 R144.2
Net-(J8-PadA6): J8.A6 J8.B6 R70.1 R71.2
Net-(J8-PadA7): J8.A7 J8.B7 R72.1
Net-(J9-Pad2): J9.2 R92.2
Net-(J9-Pad3): J9.3 R90.2
Net-(J10-Pad11): J10.11 R107.1
Net-(J10-Pad13): J10.13 R104.1
Net-(J10-Pad23): J10.23 R108.1
Net-(J10-Pad25): J10.25 R105.1
Net-(J10-Pad35): J10.35 R109.1
Net-(J10-Pad37): J10.37 R106.1
Net-(J14-Pad2): J14.2 R93.2
Net-(J14-Pad3): J14.3 R91.2
Net-(L6-Pad1): L6.1 U13.3
Net-(L7-Pad1): L7.1 U19.3
Net-(P1-Pad13): P1.13 R116.1
Net-(P1-Pad15): P1.15 R146.1
Net-(P1-Pad17): P1.17 R147.1
Net-(Q1-Pad4): Q1.4 U2.1
Net-(Q1-Pad5): Q1.5 Q1.6 Q1.7 Q1.8 R49.1 U2.6
Net-(Q2-Pad4): Q2.4 U2.37
Net-(Q4-Pad3): Q4.3 R172.1 U2.16
Net-(Q5-Pad1): Q5.1 R17.1
Net-(Q5-Pad3): Q5.3 R25.2
Net-(Q6-Pad1): Q6.1 R18.1
Net-(Q6-Pad3): Q6.3 R26.2